# Altium PCB relay_matrix.PcbDoc (part 4 of 9) (continued)
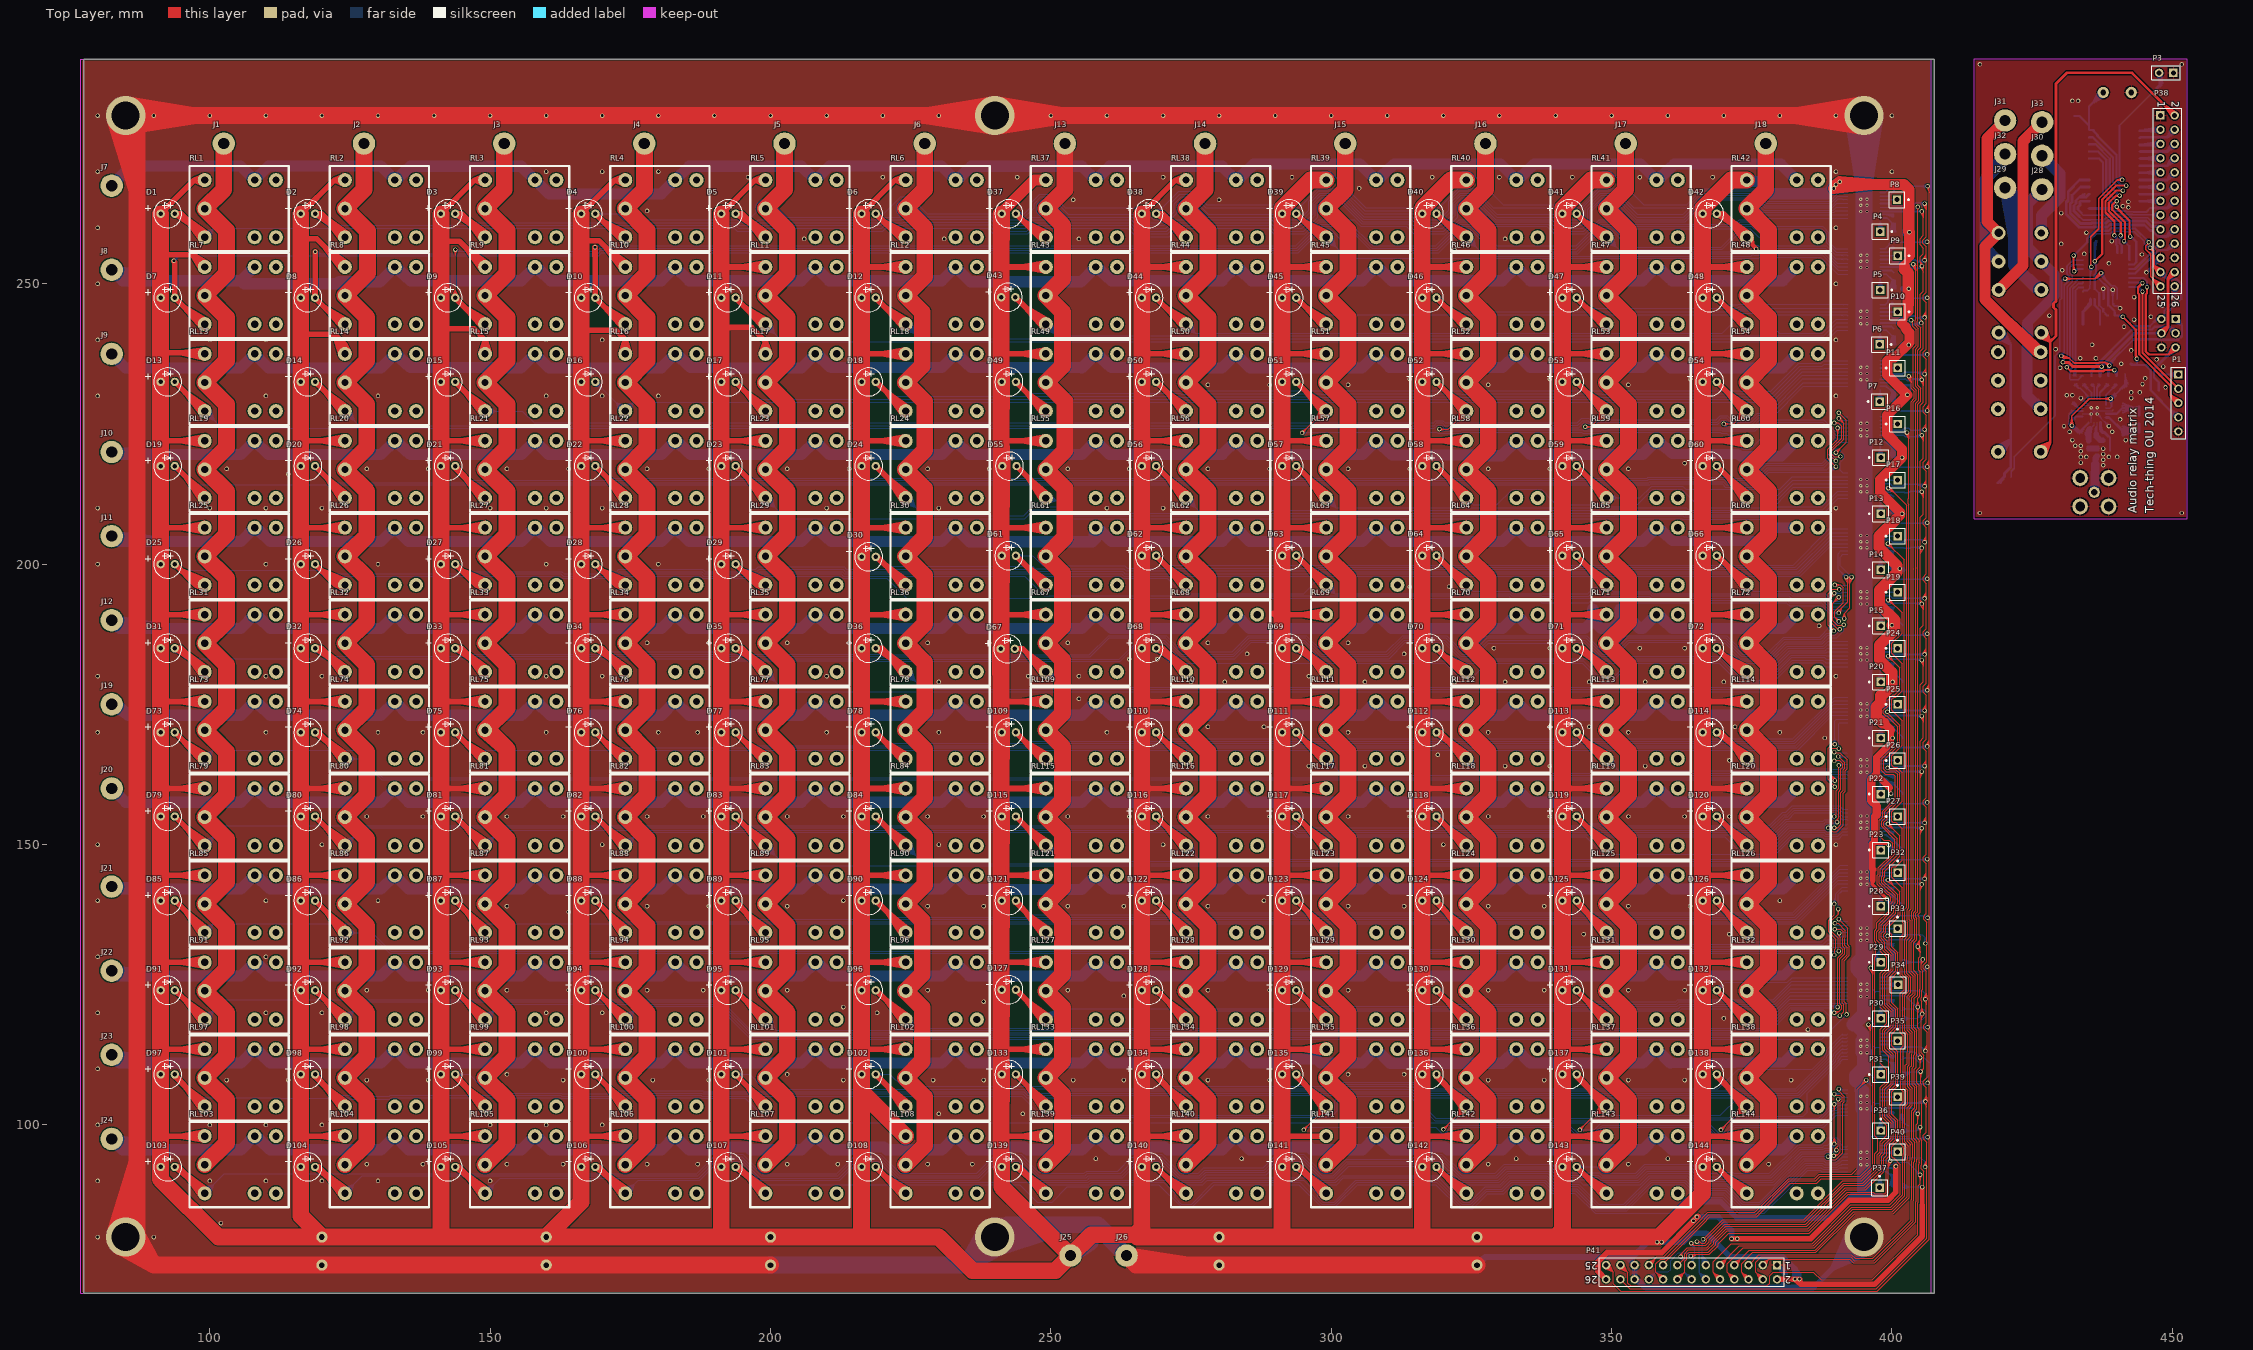
[diagram p0: Top Layer view]
## Nets (pads, with @x,y where several pads share a name; then routed paths per layer and width w, separated by ;. In a path a pad name is that pad's centre, name@x,y a point inside that pad or via, vN(x,y) a via of type N, cw(c..) or ccw(c..) an arc to the next point about the centre after c; other vN are vias at no path point) (continued)
CONTROL_44: D57.2 RL57.3 U6.6 | length 147.3
  Top Layer w1: D57.2@293.77,217.5 299.1,212.17 RL57.3@299.1,211.8 295.944,215.326 ; RL57.3@298.503,211.346 295.944,215.326 ; RL57.3@299.617,212.343 295.944,215.326
  Bottom Layer w0.2: RL57.3@298.509,210.814 300.774,210.126 ; RL57.3@298.577,211.007 300.774,210.126 ; RL57.3@298.66,211.192 300.774,210.126 ; RL57.3@298.759,211.369 300.774,210.126 ; RL57.3@298.871,211.535 300.774,210.126 ; RL57.3@298.997,211.691 300.774,210.126 ; RL57.3@299.1,211.8 300.8,210.1 332.472,210.1 332.476,210.105 337.824,210.105 337.828,210.1 348.042,210.1 348.292,209.85 354.353,209.85 354.603,210.1 363.291,210.1 363.741,209.65 377.671,209.65 382.346,214.325 U6.6@392.1,214.325 ; RL57.3@299.209,211.903 300.774,210.126 ; RL57.3@299.365,212.029 300.774,210.126 ; RL57.3@299.531,212.141 300.774,210.126 ; RL57.3@299.708,212.24 300.774,210.126 ; RL57.3@299.893,212.323 300.774,210.126 ; RL57.3@300.086,212.391 300.774,210.126 ; 390.5,214.325 U6.6@391.275,214.325
CONTROL_45: D58.2 RL58.3 U6.7 | length 98.8
  Top Layer w1: D58.2@318.77,217.5 324.1,212.17 RL58.3@324.1,211.8 320.944,215.326 ; RL58.3@323.503,211.346 320.944,215.326 ; RL58.3@324.617,212.343 320.944,215.326
  Bottom Layer w0.2: RL58.3@324.1,211.8 324.136,211.8 325.336,210.6 329.537,210.6 332.337,213.4 337.463,213.4 338.4,212.463 338.4,212.3 340.1,210.6 348.108,210.6 348.458,210.25 354.187,210.25 357.337,213.4 358.663,213.4 358.763,213.3 358.863,213.4 362.463,213.4 365.813,210.05 377.364,210.05 382.289,214.975 U6.7@392.1,214.975 ; 390.5,214.975 U6.7@391.275,214.975
CONTROL_46: D59.2 RL59.3 U6.8 | length 90.1
  Top Layer w1: D59.2@343.77,217.5 349.1,212.17 RL59.3@349.1,211.8 345.944,215.326 ; RL59.3@348.503,211.346 345.944,215.326 ; RL59.3@349.617,212.343 345.944,215.326
  Bottom Layer w0.2: RL59.3@349.1,211.8 355.03,211.8 357.13,213.9 362.67,213.9 363.22,213.35 379.957,213.35 382.232,215.625 U6.8@392.1,215.625 ; RL59.3@349.106,211.65 350.95,211.8 ; RL59.3@349.106,211.95 350.95,211.8 ; RL59.3@349.133,211.452 350.95,211.8 ; RL59.3@349.133,212.148 350.95,211.8 ; RL59.3@349.182,211.256 350.95,211.8 ; RL59.3@349.182,212.344 350.95,211.8 ; RL59.3@349.252,211.066 350.95,211.8 ; RL59.3@349.252,212.534 350.95,211.8 ; RL59.3@349.344,210.882 350.95,211.8 ; RL59.3@349.344,212.718 350.95,211.8 ; RL59.3@349.457,210.707 350.95,211.8 ; RL59.3@349.457,212.893 350.95,211.8 ; 390.5,215.625 U6.8@391.275,215.625
CONTROL_47: D60.2 RL60.3 U6.9 | length 63.1
  Top Layer w1: D60.2@368.77,217.5 374.1,212.17 RL60.3@374.1,211.8 370.944,215.326 ; RL60.3@373.503,211.346 370.944,215.326 ; RL60.3@374.617,212.343 370.944,215.326
  Bottom Layer w0.2: D60.2@368.409,216.959 369.944,216.326 ; D60.2@368.498,217.142 369.944,216.326 ; D60.2@368.607,217.31 369.944,216.326 ; D60.2@368.77,217.5 370.92,215.35 374.742,215.35 377.392,218 387.534,218 388.5,218.966 388.5,219.39 389.71,220.6 390.389,220.6 391.499,219.49 391.499,218.909 390.8,218.21 390.8,216.728 391.253,216.275 U6.9@392.1,216.275 ; D60.2@368.96,217.663 369.944,216.326 ; D60.2@369.128,217.772 369.944,216.326 ; D60.2@369.311,217.861 369.944,216.326
CONTROL_48: D25.2 RL25.3 U7.2 | length 362
  Top Layer w0.2: v1@391.204,190.35 391.5,191.2 ; v1(391.5,190.3) 391.5,191.2 ; v1@391.796,190.35 391.5,191.2 ; v1@392.503,197.741 392.5,196.613 ; v1@393.076,197.582 392.5,196.613 ; 391.5,191.2 392.5,192.2 392.5,197.7 v1(392.8,197.7) 392.5,196.613
  Top Layer w1: D25.2@93.77,200 97.47,196.3 ; RL25.3@98.662,195.691 94.935,198.835 ; RL25.3@99.44,196.969 94.935,198.835 ; 94.935,198.835 RL25.3@99.1,196.3 ; 97.47,196.3 RL25.3@99.1,196.3 ; 97.47,196.3 98.927,197.03 97.47,196.3 ; 97.47,196.3 98.927,195.57 97.47,196.3 ; 97.47,196.3 RL25.3@99.1,196.3 ; 97.47,196.3 RL25.3@99.1,196.3
  Bottom Layer w0.2: D25.2@93.422,199.451 94.82,198.95 ; D25.2@93.504,199.637 94.82,198.95 ; D25.2@93.609,199.809 94.82,198.95 ; D25.2@93.77,200 94.82,198.95 ; D25.2@93.961,200.161 94.82,198.95 ; D25.2@94.133,200.266 94.82,198.95 ; D25.2@94.319,200.348 94.82,198.95 ; v1(391.5,190.3) 391.3,190.5 390.21,190.5 390.11,190.4 389.592,190.4 387.442,192.55 381.73,192.55 381.13,193.15 352.253,193.15 352.088,193.315 346.112,193.315 345.947,193.15 337.5,193.15 337.1,193.55 331.861,193.55 331.461,193.95 224.258,193.95 220.758,197.45 212.842,197.45 212.442,197.85 198.458,197.85 198.058,197.45 187.842,197.45 187.442,197.85 173.458,197.85 173.058,197.45 162.842,197.45 162.442,197.85 120.354,197.85 119.254,198.95 94.82,198.95 ; U7.2@392.1,201.725 391.253,201.725 390.8,201.272 390.8,199.7 v1(392.8,197.7)
CONTROL_49: D26.2 RL26.3 U7.3 | length 335.1
  Top Layer w0.2: v1@390.265,191.487 391.129,192.329 ; v1@390.773,191.176 391.129,192.329 ; v1@391.524,197.582 392.1,196.616 ; v1@392.097,197.741 392.1,196.616 ; 391.129,192.329 v1(390.499,191.3) 390.499,191.501 390.4,191.6 392.1,193.3 392.1,197.4 v1(391.8,197.7) 392.1,196.616
  Top Layer w1: D26.2@118.77,200 122.47,196.3 ; RL26.3@123.662,195.691 119.935,198.835 ; RL26.3@124.44,196.969 119.935,198.835 ; 119.935,198.835 RL26.3@124.1,196.3 ; 122.47,196.3 RL26.3@124.1,196.3 ; 122.47,196.3 123.927,197.03 122.47,196.3 ; 122.47,196.3 123.927,195.57 122.47,196.3 ; 122.47,196.3 RL26.3@124.1,196.3 ; 122.47,196.3 RL26.3@124.1,196.3
  Bottom Layer w0.2: D26.2@118.77,200 120.52,198.25 162.608,198.25 163.008,197.85 172.892,197.85 173.292,198.25 187.608,198.25 188.008,197.85 197.892,197.85 198.292,198.25 212.608,198.25 213.008,197.85 245.358,197.85 248.858,194.35 331.627,194.35 332.027,193.95 337.316,193.95 337.383,193.883 356.528,193.883 356.861,193.55 381.295,193.55 381.695,193.15 387.408,193.15 389.258,191.3 v1(390.499,191.3) 389.499,191.3 ; v1@390.454,191.003 389.499,191.3 ; v1@390.454,191.596 389.499,191.3 ; U7.3@391.275,202.375 390.875,202.375 ; v1@391.562,197.517 390.976,198.524 ; v1@391.983,197.938 390.976,198.524 ; U7.3@392.1,202.375 390.875,202.375 ; 390.875,202.375 390.4,201.9 390.4,199.1 v1(391.8,197.7) 390.976,198.524
CONTROL_50: D27.2 RL27.3 U7.4 | length 296.6
  Top Layer w1: D27.2@143.77,200 147.47,196.3 ; RL27.3@148.662,195.691 144.935,198.835 ; RL27.3@149.44,196.969 144.935,198.835 ; 144.935,198.835 RL27.3@149.1,196.3 ; 147.47,196.3 RL27.3@149.1,196.3 ; 147.47,196.3 148.927,197.03 147.47,196.3 ; 147.47,196.3 148.927,195.57 147.47,196.3 ; 147.47,196.3 RL27.3@149.1,196.3 ; 147.47,196.3 RL27.3@149.1,196.3
  Bottom Layer w0.2: D27.2@143.409,199.459 144.944,198.826 ; D27.2@143.498,199.642 144.944,198.826 ; D27.2@143.607,199.81 144.944,198.826 ; D27.2@143.77,200 145.12,198.65 162.773,198.65 163.173,198.25 172.727,198.25 173.127,198.65 187.773,198.65 188.173,198.25 197.727,198.25 198.127,198.65 212.773,198.65 213.173,198.25 246.166,198.25 246.566,197.85 262.442,197.85 262.842,197.45 270.758,197.45 273.458,194.75 295.1,194.75 297.8,197.45 298.058,197.45 298.458,197.85 383.65,197.85 388.825,203.025 U7.4@392.1,203.025 ; D27.2@143.96,200.163 144.944,198.826 ; D27.2@144.128,200.272 144.944,198.826 ; D27.2@144.311,200.361 144.944,198.826 ; 390.5,203.025 U7.4@391.275,203.025
CONTROL_51: D28.2 RL28.3 U7.5 | length 269.3
  Top Layer w1: D28.2@168.77,200 172.47,196.3 ; RL28.3@173.662,195.691 169.935,198.835 ; RL28.3@174.44,196.969 169.935,198.835 ; 169.935,198.835 RL28.3@174.1,196.3 ; 172.47,196.3 RL28.3@174.1,196.3 ; 172.47,196.3 173.927,197.03 172.47,196.3 ; 172.47,196.3 173.927,195.57 172.47,196.3 ; 172.47,196.3 RL28.3@174.1,196.3 ; 172.47,196.3 RL28.3@174.1,196.3
  Bottom Layer w0.2: D28.2@168.409,199.459 169.944,198.826 ; D28.2@168.498,199.642 169.944,198.826 ; D28.2@168.607,199.81 169.944,198.826 ; D28.2@168.77,200 170.12,198.65 172.561,198.65 172.961,199.05 187.939,199.05 188.339,198.65 197.561,198.65 197.961,199.05 212.939,199.05 213.339,198.65 246.331,198.65 246.731,198.25 262.608,198.25 263.008,197.85 297.892,197.85 298.292,198.25 383.484,198.25 388.909,203.675 U7.5@392.1,203.675 ; D28.2@168.96,200.163 169.944,198.826 ; D28.2@169.128,200.272 169.944,198.826 ; D28.2@169.311,200.361 169.944,198.826 ; 390.5,203.675 U7.5@391.275,203.675
CONTROL_52: D29.2 RL29.3 U7.6 | length 241.5
  Top Layer w1: D29.2@193.77,200 197.47,196.3 ; RL29.3@198.662,195.691 194.935,198.835 ; RL29.3@199.44,196.969 194.935,198.835 ; 194.935,198.835 RL29.3@199.1,196.3 ; 197.47,196.3 RL29.3@199.1,196.3 ; 197.47,196.3 198.927,197.03 197.47,196.3 ; 197.47,196.3 198.927,195.57 197.47,196.3 ; 197.47,196.3 RL29.3@199.1,196.3 ; 197.47,196.3 RL29.3@199.1,196.3
  Bottom Layer w0.2: D29.2@193.443,199.438 194.67,199.1 ; D29.2@193.513,199.631 194.67,199.1 ; D29.2@193.611,199.807 194.67,199.1 ; D29.2@193.77,200 194.67,199.1 ; D29.2@193.963,200.159 194.67,199.1 ; D29.2@194.139,200.257 194.67,199.1 ; D29.2@194.332,200.327 194.67,199.1 ; 390.5,204.325 U7.6@391.275,204.325 ; U7.6@392.1,204.325 388.994,204.325 383.319,198.65 298.127,198.65 297.777,198.3 263.194,198.3 262.794,198.7 246.918,198.7 246.518,199.1 213.525,199.1 213.125,199.5 197.775,199.5 197.375,199.1 194.67,199.1
CONTROL_53: D30.2 RL30.3 U7.7 | length 213.4
  Top Layer w1: 221.801,198.599 D30.2@218.77,201.3 219.1,201.3 RL30.3@224.1,196.3 220.729,199.671 ; RL30.3@223.53,195.813 220.729,199.671 ; RL30.3@224.587,196.87 220.729,199.671
  Bottom Layer w0.2: D30.2@218.409,200.759 219.944,200.126 ; D30.2@218.498,200.942 219.944,200.126 ; D30.2@218.607,201.11 219.944,200.126 ; D30.2@218.77,201.3 220.47,199.6 246.725,199.6 247.125,199.2 263.001,199.2 263.401,198.8 297.711,198.8 297.961,199.05 383.027,199.05 388.952,204.975 U7.7@392.1,204.975 ; D30.2@218.96,201.463 219.944,200.126 ; D30.2@219.128,201.572 219.944,200.126 ; D30.2@219.311,201.661 219.944,200.126 ; 390.5,204.975 U7.7@391.275,204.975
CONTROL_54: D61.2 RL61.3 U7.8 | length 182.5
  Top Layer w1: D61.2@243.77,201.5 248.97,196.3 RL61.3@249.1,196.3 245.678,199.592 ; RL61.3@248.539,195.802 245.678,199.592 ; RL61.3@249.576,196.88 245.678,199.592
  Bottom Layer w0.2: D61.2@243.77,201.5 246.737,201.5 248.537,199.7 263.208,199.7 263.608,199.3 297.645,199.3 297.795,199.45 382.72,199.45 388.895,205.625 U7.8@392.1,205.625 ; D61.2@243.793,201.251 245.12,201.5 ; D61.2@243.793,201.749 245.12,201.5 ; D61.2@243.845,201.056 245.12,201.5 ; D61.2@243.845,201.944 245.12,201.5 ; D61.2@243.926,200.869 245.12,201.5 ; D61.2@243.926,202.131 245.12,201.5 ; 390.5,205.625 U7.8@391.275,205.625
CONTROL_55: D62.2 RL62.3 U7.9 | length 159.2
  Top Layer w1: D62.2@268.77,201.5 273.97,196.3 RL62.3@274.1,196.3 270.678,199.592 ; RL62.3@273.539,195.802 270.678,199.592 ; RL62.3@274.576,196.88 270.678,199.592
  Bottom Layer w0.2: D62.2@268.409,200.959 269.944,200.326 ; D62.2@268.498,201.142 269.944,200.326 ; D62.2@268.607,201.31 269.944,200.326 ; D62.2@268.77,201.5 270.47,199.8 297.58,199.8 297.63,199.85 382.413,199.85 388.838,206.275 U7.9@392.1,206.275 ; D62.2@268.96,201.663 269.944,200.326 ; D62.2@269.128,201.772 269.944,200.326 ; D62.2@269.311,201.861 269.944,200.326 ; 390.5,206.275 U7.9@391.275,206.275
CONTROL_56: D63.2 RL63.3 U8.2 | length 145.2
  Top Layer w1: D63.2@293.77,201.5 298.97,196.3 RL63.3@299.1,196.3 295.678,199.592 ; RL63.3@298.539,195.802 295.678,199.592 ; RL63.3@299.576,196.88 295.678,199.592
  Bottom Layer w0.2: D63.2@293.77,201.5 D63.2@294,201.27 ; RL63.3@298.529,195.302 300.65,194.75 ; RL63.3@298.59,195.499 300.65,194.75 ; RL63.3@298.668,195.687 300.65,194.75 ; RL63.3@298.763,195.865 300.65,194.75 ; RL63.3@298.873,196.034 300.65,194.75 ; RL63.3@298.998,196.19 300.65,194.75 ; RL63.3@299.1,196.3 300.65,194.75 ; RL63.3@299.21,196.402 300.65,194.75 ; RL63.3@299.366,196.527 300.65,194.75 ; RL63.3@299.535,196.637 300.65,194.75 ; RL63.3@299.713,196.732 300.65,194.75 ; RL63.3@299.901,196.81 300.65,194.75 ; RL63.3@300.098,196.871 300.65,194.75 ; U8.2@392.1,191.725 391.064,191.725 ; 300.65,194.75 331.792,194.75 332.192,194.35 337.481,194.35 337.549,194.283 345.948,194.283 347.154,195.488 348.359,194.283 356.694,194.283 357.027,193.95 381.461,193.95 381.861,193.55 387.573,193.55 389.123,192 390.789,192 ; 390.789,192 U8.2@391.275,191.725 ; 390.789,192 391.064,191.725 ; 391.064,191.725 U8.2@391.275,191.725 ; 391.064,191.725 U8.2@391.275,191.725
CONTROL_57: D64.2 RL64.3 U8.3 | length 92.7
  Top Layer w1: D64.2@318.77,201.5 323.97,196.3 RL64.3@324.1,196.3 320.678,199.592 ; RL64.3@323.539,195.802 320.678,199.592 ; RL64.3@324.576,196.88 320.678,199.592
  Bottom Layer w0.2: D64.2@318.77,201.5 D64.2@319,201.27 ; RL64.3@324.1,196.3 325.25,195.15 331.958,195.15 332.358,194.75 337.647,194.75 337.714,194.683 345.782,194.683 346.988,195.888 347.319,195.888 348.525,194.683 356.859,194.683 357.192,194.35 381.627,194.35 382.027,193.95 387.739,193.95 389.289,192.4 392.075,192.4 U8.3@392.1,192.375
CONTROL_58: D65.2 RL65.3 U8.4 | length 67.3
  Top Layer w1: D65.2@343.77,201.5 348.97,196.3 RL65.3@349.1,196.3 345.678,199.592 ; RL65.3@348.539,195.802 345.678,199.592 ; RL65.3@349.576,196.88 345.678,199.592
  Bottom Layer w0.2: D65.2@343.77,201.5 D65.2@344,201.27 ; RL65.3@349.1,196.3 350.317,195.083 357.025,195.083 357.358,194.75 381.792,194.75 382.192,194.35 387.905,194.35 389.255,193 390.956,193 ; U8.4@392.1,193.025 392.025,193.1 391.056,193.1 ; 390.956,193 U8.4@391.275,193.025 ; 390.956,193 391.056,193.1 ; 391.056,193.1 U8.4@391.275,193.025 ; 391.056,193.1 U8.4@391.275,193.025
CONTROL_59: D66.2 RL66.3 U8.5 | length 45.6
  Top Layer w1: 371.699,198.7 D66.2@368.77,201.5 368.9,201.5 RL66.3@374.1,196.3 370.729,199.671 ; RL66.3@373.53,195.813 370.729,199.671 ; RL66.3@374.587,196.87 370.729,199.671
  Bottom Layer w0.2: RL66.3@374.1,196.3 375.25,195.15 381.958,195.15 382.358,194.75 388.07,194.75 389.42,193.4 390.79,193.4 391.065,193.675 ; U8.5@392.1,193.675 391.065,193.675 ; 391.065,193.675 391.275,193.675 391.065,193.675
CONTROL_60: D31.2 RL31.3 U8.6 | length 363.4
  Top Layer w0.2: v1@390.262,194.283 389.676,193.276 ; v1@390.683,193.862 389.676,193.276 ; v1(391.399,189.2) 391.3,189.1 390.21,189.1 389.399,189.911 389.399,192.999 v1(390.5,194.1) 389.676,193.276
  Top Layer w1: 97.284,182.616 D31.2@93.77,185 ; RL31.3@98.53,180.313 95.729,184.171 ; RL31.3@99.587,181.37 95.729,184.171 ; D31.2@93.77,185 94.9,185 ; D31.2@93.77,185 94.9,185 ; 94.9,185 RL31.3@99.1,180.8 95.729,184.171
  Bottom Layer w0.2: D31.2@93.409,184.459 94.944,183.826 ; D31.2@93.498,184.642 94.944,183.826 ; D31.2@93.607,184.81 94.944,183.826 ; D31.2@93.77,185 95.62,183.15 169.536,183.15 189.898,183.15 190.298,182.75 218.6,182.75 218.7,182.65 262.395,182.65 265.795,186.05 270.061,186.05 272.961,183.15 282.816,183.15 285.716,186.05 295.061,186.05 297.961,183.15 310.316,183.15 313.216,186.05 320.061,186.05 322.961,183.15 325.239,183.15 327.989,185.9 340.4,185.9 340.55,186.05 345.061,186.05 347.961,183.15 350.239,183.15 353.139,186.05 370.061,186.05 372.961,183.15 378.511,183.15 381.161,185.8 387.597,185.8 388.697,186.9 390.19,186.9 391.4,188.11 v1(391.399,189.2) ; D31.2@93.96,185.163 94.944,183.826 ; D31.2@94.128,185.272 94.944,183.826 ; D31.2@94.311,185.361 94.944,183.826 ; v1(390.5,194.1) v1@390.725,194.325 ; U8.6@391.275,194.325 v1@390.725,194.325 ; U8.6@392.1,194.325 v1@390.725,194.325
CONTROL_61: D32.2 RL32.3 U8.7 | length 344.9
  Top Layer w0.2: v1@389.457,194.977 388.999,194.1 ; v1@389.877,194.558 388.999,194.1 ; 388.999,194.1 v1(389.699,194.8) 388.999,194.1 ; 388.999,194.1 388.999,189.691 390.295,188.395 ; 390.295,188.395 v1(390.7,188.4) ; 390.295,188.395 390.585,188.677 390.295,188.395 ; 390.295,188.395 390.592,188.12 390.295,188.395 ; 390.295,188.395 v1(390.7,188.4) ; 390.295,188.395 390.695,188.395 v1(390.7,188.4)
  Top Layer w1: 122.284,182.616 D32.2@118.77,185 ; RL32.3@123.53,180.313 120.729,184.171 ; RL32.3@124.587,181.37 120.729,184.171 ; D32.2@118.77,185 119.9,185 ; D32.2@118.77,185 119.9,185 ; 119.9,185 RL32.3@124.1,180.8 120.729,184.171
  Bottom Layer w0.2: D32.2@118.409,184.459 119.944,183.826 ; D32.2@118.498,184.642 119.944,183.826 ; D32.2@118.607,184.81 119.944,183.826 ; D32.2@118.77,185 120.22,183.55 169.371,183.55 190.064,183.55 190.464,183.15 218.883,183.15 218.983,183.05 262.229,183.05 265.629,186.45 270.227,186.45 273.127,183.55 282.65,183.55 285.55,186.45 295.227,186.45 298.127,183.55 310.15,183.55 313.05,186.45 320.227,186.45 323.127,183.55 325.073,183.55 327.973,186.45 345.227,186.45 348.127,183.55 350.073,183.55 352.973,186.45 370.227,186.45 373.127,183.55 378.346,183.55 380.996,186.2 387.431,186.2 388.531,187.3 389.8,187.3 390.7,188.2 v1(390.7,188.4) ; D32.2@118.96,185.163 119.944,183.826 ; D32.2@119.128,185.272 119.944,183.826 ; D32.2@119.311,185.361 119.944,183.826 ; v1@389.773,194.509 390.31,194.8 ; v1@389.773,195.09 390.31,194.8 ; U8.7@392.1,194.975 391.065,194.975 ; v1(389.699,194.8) 390.135,194.975 ; v1(389.699,194.8) 390.135,194.975 ; v1(389.699,194.8) 390.31,194.8 ; v1(389.699,194.8) 389.875,194.975 390.135,194.975 ; 390.135,194.975 389.894,194.572 390.135,194.975 ; 390.135,194.975 389.682,195.099 390.135,194.975 ; 390.135,194.975 390.31,194.8 ; 390.31,194.8 390.89,194.8 ; 390.89,194.8 U8.7@391.275,194.975 ; 390.89,194.8 391.065,194.975 ; 391.065,194.975 U8.7@391.275,194.975 ; 391.065,194.975 U8.7@391.275,194.975
CONTROL_62: D33.2 RL33.3 U8.8 | length 313.1
  Top Layer w0.2: v1@389.361,187.917 388.776,188.924 ; v1(389.599,188.1) 388.776,188.924 ; v1(389.599,188.1) 388.599,189.101 388.599,194.69 389.409,195.5 v1@390.6,195.5 ; v1@389.782,188.337 388.776,188.924
  Top Layer w1: 147.284,182.616 D33.2@143.77,185 ; RL33.3@148.53,180.313 145.729,184.171 ; RL33.3@149.587,181.37 145.729,184.171 ; D33.2@143.77,185 144.9,185 ; D33.2@143.77,185 144.9,185 ; 144.9,185 RL33.3@149.1,180.8 145.729,184.171
  Bottom Layer w0.2: D33.2@143.422,184.451 144.82,183.95 ; D33.2@143.504,184.637 144.82,183.95 ; D33.2@143.609,184.809 144.82,183.95 ; D33.2@143.77,185 144.82,183.95 ; D33.2@143.961,185.161 144.82,183.95 ; D33.2@144.133,185.266 144.82,183.95 ; D33.2@144.319,185.348 144.82,183.95 ; v1(389.599,188.1) 389.2,187.7 388.365,187.7 387.265,186.6 380.83,186.6 378.18,183.95 373.292,183.95 370.392,186.85 352.808,186.85 349.908,183.95 348.292,183.95 345.392,186.85 327.808,186.85 324.908,183.95 323.292,183.95 320.392,186.85 312.884,186.85 309.984,183.95 298.292,183.95 295.392,186.85 285.384,186.85 282.484,183.95 273.292,183.95 270.392,186.85 260.45,186.85 257.05,183.45 219.266,183.45 219.166,183.55 190.629,183.55 190.229,183.95 169.205,183.95 144.82,183.95 ; v1@390.611,195.8 U8.8@391.275,195.625 ; v1@390.718,195.224 U8.8@391.275,195.625 ; U8.8@392.1,195.625 v1@390.725,195.625 ; v1@390.725,195.625 U8.8@391.275,195.625 ; v1@390.725,195.625 v1(390.6,195.5) U8.8@391.275,195.625
CONTROL_63: D34.2 RL34.3 U8.9 | length 283.6
  Top Layer w0.2: v1(389.799,196.3) 390.79,196.3 ; v1@389.845,196.003 390.79,196.3 ; v1@389.845,196.596 390.79,196.3 ; v1@390.258,189.622 389.799,190.501 ; v1@390.678,190.042 389.799,190.501 ; 389.799,190.501 v1(390.5,189.8) 389.799,190.501 ; 389.799,190.501 389.799,191.59 391.3,193.09 391.3,195.79 390.79,196.3
  Top Layer w1: 172.284,182.616 D34.2@168.77,185 ; RL34.3@173.53,180.313 170.729,184.171 ; RL34.3@174.587,181.37 170.729,184.171 ; D34.2@168.77,185 169.9,185 ; D34.2@168.77,185 169.9,185 ; 169.9,185 RL34.3@174.1,180.8 170.729,184.171
  Bottom Layer w0.2: D34.2@168.77,185 169.42,184.35 190.395,184.35 190.795,183.95 219.447,183.95 219.547,183.85 256.884,183.85 260.284,187.25 270.558,187.25 273.458,184.35 282.319,184.35 285.219,187.25 295.558,187.25 298.458,184.35 309.819,184.35 312.719,187.25 320.558,187.25 323.458,184.35 324.742,184.35 327.642,187.25 345.558,187.25 348.458,184.35 349.742,184.35 352.642,187.25 370.558,187.25 373.458,184.35 378.014,184.35 380.664,187 387.1,187 388.899,188.8 389.5,188.8 v1(390.5,189.8) 389.676,188.976 ; v1(389.799,196.3) 389.824,196.275 U8.9@392.1,196.275 ; v1@390.262,189.983 389.676,188.976 ; 390.5,196.275 U8.9@391.275,196.275 ; v1@390.683,189.562 389.676,188.976
CONTROL_64: D35.2 RL35.3 U9.2 | length 252.8
  Top Layer w1: 197.284,182.616 D35.2@193.77,185 ; RL35.3@198.53,180.313 195.729,184.171 ; RL35.3@199.587,181.37 195.729,184.171 ; D35.2@193.77,185 194.9,185 ; D35.2@193.77,185 194.9,185 ; 194.9,185 RL35.3@199.1,180.8 195.729,184.171
  Bottom Layer w0.2: RL35.3@198.509,179.814 200.774,179.126 ; RL35.3@198.577,180.007 200.774,179.126 ; RL35.3@198.66,180.192 200.774,179.126 ; RL35.3@198.759,180.369 200.774,179.126 ; RL35.3@198.871,180.535 200.774,179.126 ; RL35.3@198.997,180.691 200.774,179.126 ; RL35.3@199.1,180.8 202.65,177.25 377.137,177.25 382.287,182.4 387.463,182.4 388.138,181.725 U9.2@392.1,181.725 ; RL35.3@199.209,180.903 200.774,179.126 ; RL35.3@199.365,181.029 200.774,179.126 ; RL35.3@199.531,181.141 200.774,179.126 ; RL35.3@199.708,181.24 200.774,179.126 ; RL35.3@199.893,181.323 200.774,179.126 ; RL35.3@200.086,181.391 200.774,179.126 ; 390.5,181.725 U9.2@391.275,181.725
CONTROL_65: D36.2 RL36.3 U9.3 | length 227.6
  Top Layer w1: 222.284,182.616 D36.2@218.77,185 ; RL36.3@223.53,180.313 220.729,184.171 ; RL36.3@224.587,181.37 220.729,184.171 ; D36.2@218.77,185 219.9,185 ; D36.2@218.77,185 219.9,185 ; 219.9,185 RL36.3@224.1,180.8 220.729,184.171
  Bottom Layer w0.2: RL36.3@223.509,179.814 225.774,179.126 ; RL36.3@223.577,180.007 225.774,179.126 ; RL36.3@223.66,180.192 225.774,179.126 ; RL36.3@223.759,180.369 225.774,179.126 ; RL36.3@223.871,180.535 225.774,179.126 ; RL36.3@223.997,180.691 225.774,179.126 ; RL36.3@224.1,180.8 227.25,177.65 376.971,177.65 382.221,182.9 387.67,182.9 388.195,182.375 U9.3@392.1,182.375 ; RL36.3@224.209,180.903 225.774,179.126 ; RL36.3@224.365,181.029 225.774,179.126 ; RL36.3@224.531,181.141 225.774,179.126 ; RL36.3@224.708,181.24 225.774,179.126 ; RL36.3@224.893,181.323 225.774,179.126 ; RL36.3@225.086,181.391 225.774,179.126 ; 390.5,182.375 U9.3@391.275,182.375
CONTROL_66: D67.2 RL67.3 U9.4 | length 197.2
  Top Layer w1: D67.2@243.57,184.9 245,184.9 RL67.3@249.1,180.8 245.729,184.171 ; RL67.3@248.53,180.313 245.729,184.171 ; RL67.3@249.587,181.37 245.729,184.171
  Bottom Layer w0.2: RL67.3@248.509,179.814 250.774,179.126 ; RL67.3@248.577,180.007 250.774,179.126 ; RL67.3@248.66,180.192 250.774,179.126 ; RL67.3@248.759,180.369 250.774,179.126 ; RL67.3@248.871,180.535 250.774,179.126 ; RL67.3@248.997,180.691 250.774,179.126 ; RL67.3@249.1,180.8 251.85,178.05 376.805,178.05 382.155,183.4 387.877,183.4 388.252,183.025 U9.4@392.1,183.025 ; RL67.3@249.209,180.903 250.774,179.126 ; RL67.3@249.365,181.029 250.774,179.126 ; RL67.3@249.531,181.141 250.774,179.126 ; RL67.3@249.708,181.24 250.774,179.126 ; RL67.3@249.893,181.323 250.774,179.126 ; RL67.3@250.086,181.391 250.774,179.126 ; 390.5,183.025 U9.4@391.275,183.025
CONTROL_67: D68.2 RL68.3 U9.5 | length 171.4
  Top Layer w1: 272.284,182.616 D68.2@268.77,185 ; RL68.3@273.53,180.313 270.729,184.171 ; RL68.3@274.587,181.37 270.729,184.171 ; D68.2@268.77,185 269.9,185 ; D68.2@268.77,185 269.9,185 ; 269.9,185 RL68.3@274.1,180.8 270.729,184.171
  Bottom Layer w0.2: D68.2@268.409,184.459 269.944,183.826 ; D68.2@268.498,184.642 269.944,183.826 ; D68.2@268.607,184.81 269.944,183.826 ; D68.2@268.77,185 271.42,182.35 299.681,182.35 320.358,182.35 323.458,179.25 324.742,179.25 325.65,180.158 325.65,180.3 327.7,182.35 344.792,182.35 348.292,178.85 349.908,178.85 353.408,182.35 369.227,182.35 373.127,178.45 376.64,178.45 381.99,183.8 388.184,183.8 388.309,183.675 U9.5@392.1,183.675 ; D68.2@268.96,185.163 269.944,183.826 ; D68.2@269.128,185.272 269.944,183.826 ; D68.2@269.311,185.361 269.944,183.826 ; 390.5,183.675 U9.5@391.275,183.675
CONTROL_68: D69.2 RL69.3 U9.6 | length 144
  Top Layer w1: 297.284,182.616 D69.2@293.77,185 ; RL69.3@298.53,180.313 295.729,184.171 ; RL69.3@299.587,181.37 295.729,184.171 ; D69.2@293.77,185 294.9,185 ; D69.2@293.77,185 294.9,185 ; 294.9,185 RL69.3@299.1,180.8 295.729,184.171
  Bottom Layer w0.2: D69.2@293.409,184.459 294.944,183.826 ; D69.2@293.498,184.642 294.944,183.826 ; D69.2@293.607,184.81 294.944,183.826 ; D69.2@293.77,185 296.02,182.75 310.481,182.75 310.531,182.8 322.18,182.8 322.63,182.35 325.57,182.35 325.97,182.75 344.958,182.75 348.458,179.25 349.742,179.25 353.242,182.75 369.392,182.75 373.292,178.85 376.474,178.85 381.824,184.2 388.259,184.2 388.459,184.4 392.025,184.4 U9.6@392.1,184.325 ; D69.2@293.96,185.163 294.944,183.826 ; D69.2@294.128,185.272 294.944,183.826 ; D69.2@294.311,185.361 294.944,183.826 ; 390.498,184.4 U9.6@391.275,184.325
CONTROL_69: D70.2 RL70.3 U9.7 | length 111.5
  Top Layer w1: D70.2@318.77,185 322.97,180.8 RL70.3@324.1,180.8 320.147,183.623 ; RL70.3@323.618,180.225 320.147,183.623 ; RL70.3@324.487,181.442 320.147,183.623
  Bottom Layer w0.2: D70.2@318.409,184.459 319.944,183.826 ; D70.2@318.498,184.642 319.944,183.826 ; D70.2@318.607,184.81 319.944,183.826 ; D70.2@318.77,185 320.47,183.3 322.245,183.3 322.795,182.75 325.405,182.75 325.805,183.15 346.83,183.15 347.63,182.35 350.57,182.35 351.37,183.15 369.558,183.15 373.458,179.25 376.308,179.25 381.658,184.6 388.094,184.6 388.469,184.975 U9.7@392.1,184.975 ; D70.2@318.96,185.163 319.944,183.826 ; D70.2@319.128,185.272 319.944,183.826 ; D70.2@319.311,185.361 319.944,183.826 ; 390.5,184.975 U9.7@391.275,184.975
CONTROL_70: D71.2 RL71.3 U9.8 | length 88.9
  Top Layer w1: 347.284,182.616 D71.2@343.77,185 ; RL71.3@348.53,180.313 345.729,184.171 ; RL71.3@349.587,181.37 345.729,184.171 ; D71.2@343.77,185 344.9,185 ; D71.2@343.77,185 344.9,185 ; 344.9,185 RL71.3@349.1,180.8 345.729,184.171
  Bottom Layer w0.2: D71.2@343.409,184.459 344.944,183.826 ; D71.2@343.498,184.642 344.944,183.826 ; D71.2@343.607,184.81 344.944,183.826 ; D71.2@343.77,185 345.22,183.55 346.995,183.55 347.795,182.75 350.405,182.75 351.205,183.55 371.43,183.55 372.63,182.35 378.843,182.35 381.493,185 387.928,185 388.553,185.625 U9.8@392.1,185.625 ; D71.2@343.96,185.163 344.944,183.826 ; D71.2@344.128,185.272 344.944,183.826 ; D71.2@344.311,185.361 344.944,183.826 ; 390.5,185.625 U9.8@391.275,185.625
CONTROL_71: D72.2 RL72.3 U9.9 | length 57
  Top Layer w1: D72.2@368.77,185 372.97,180.8 RL72.3@374.1,180.8 370.147,183.623 ; RL72.3@373.618,180.225 370.147,183.623 ; RL72.3@374.487,181.442 370.147,183.623
  Bottom Layer w0.2: D72.2@368.422,184.451 369.82,183.95 ; D72.2@368.504,184.637 369.82,183.95 ; D72.2@368.609,184.809 369.82,183.95 ; D72.2@368.77,185 369.82,183.95 ; D72.2@368.961,185.161 369.82,183.95 ; D72.2@369.133,185.266 369.82,183.95 ; D72.2@369.319,185.348 369.82,183.95 ; 390.5,186.275 U9.9@391.275,186.275 ; U9.9@392.1,186.275 388.637,186.275 387.762,185.4 381.327,185.4 378.677,182.75 372.795,182.75 371.595,183.95 369.82,183.95